# Altium PCB LimeSDR-X3_1v2.PcbDoc (part 9 of 25) (continued)
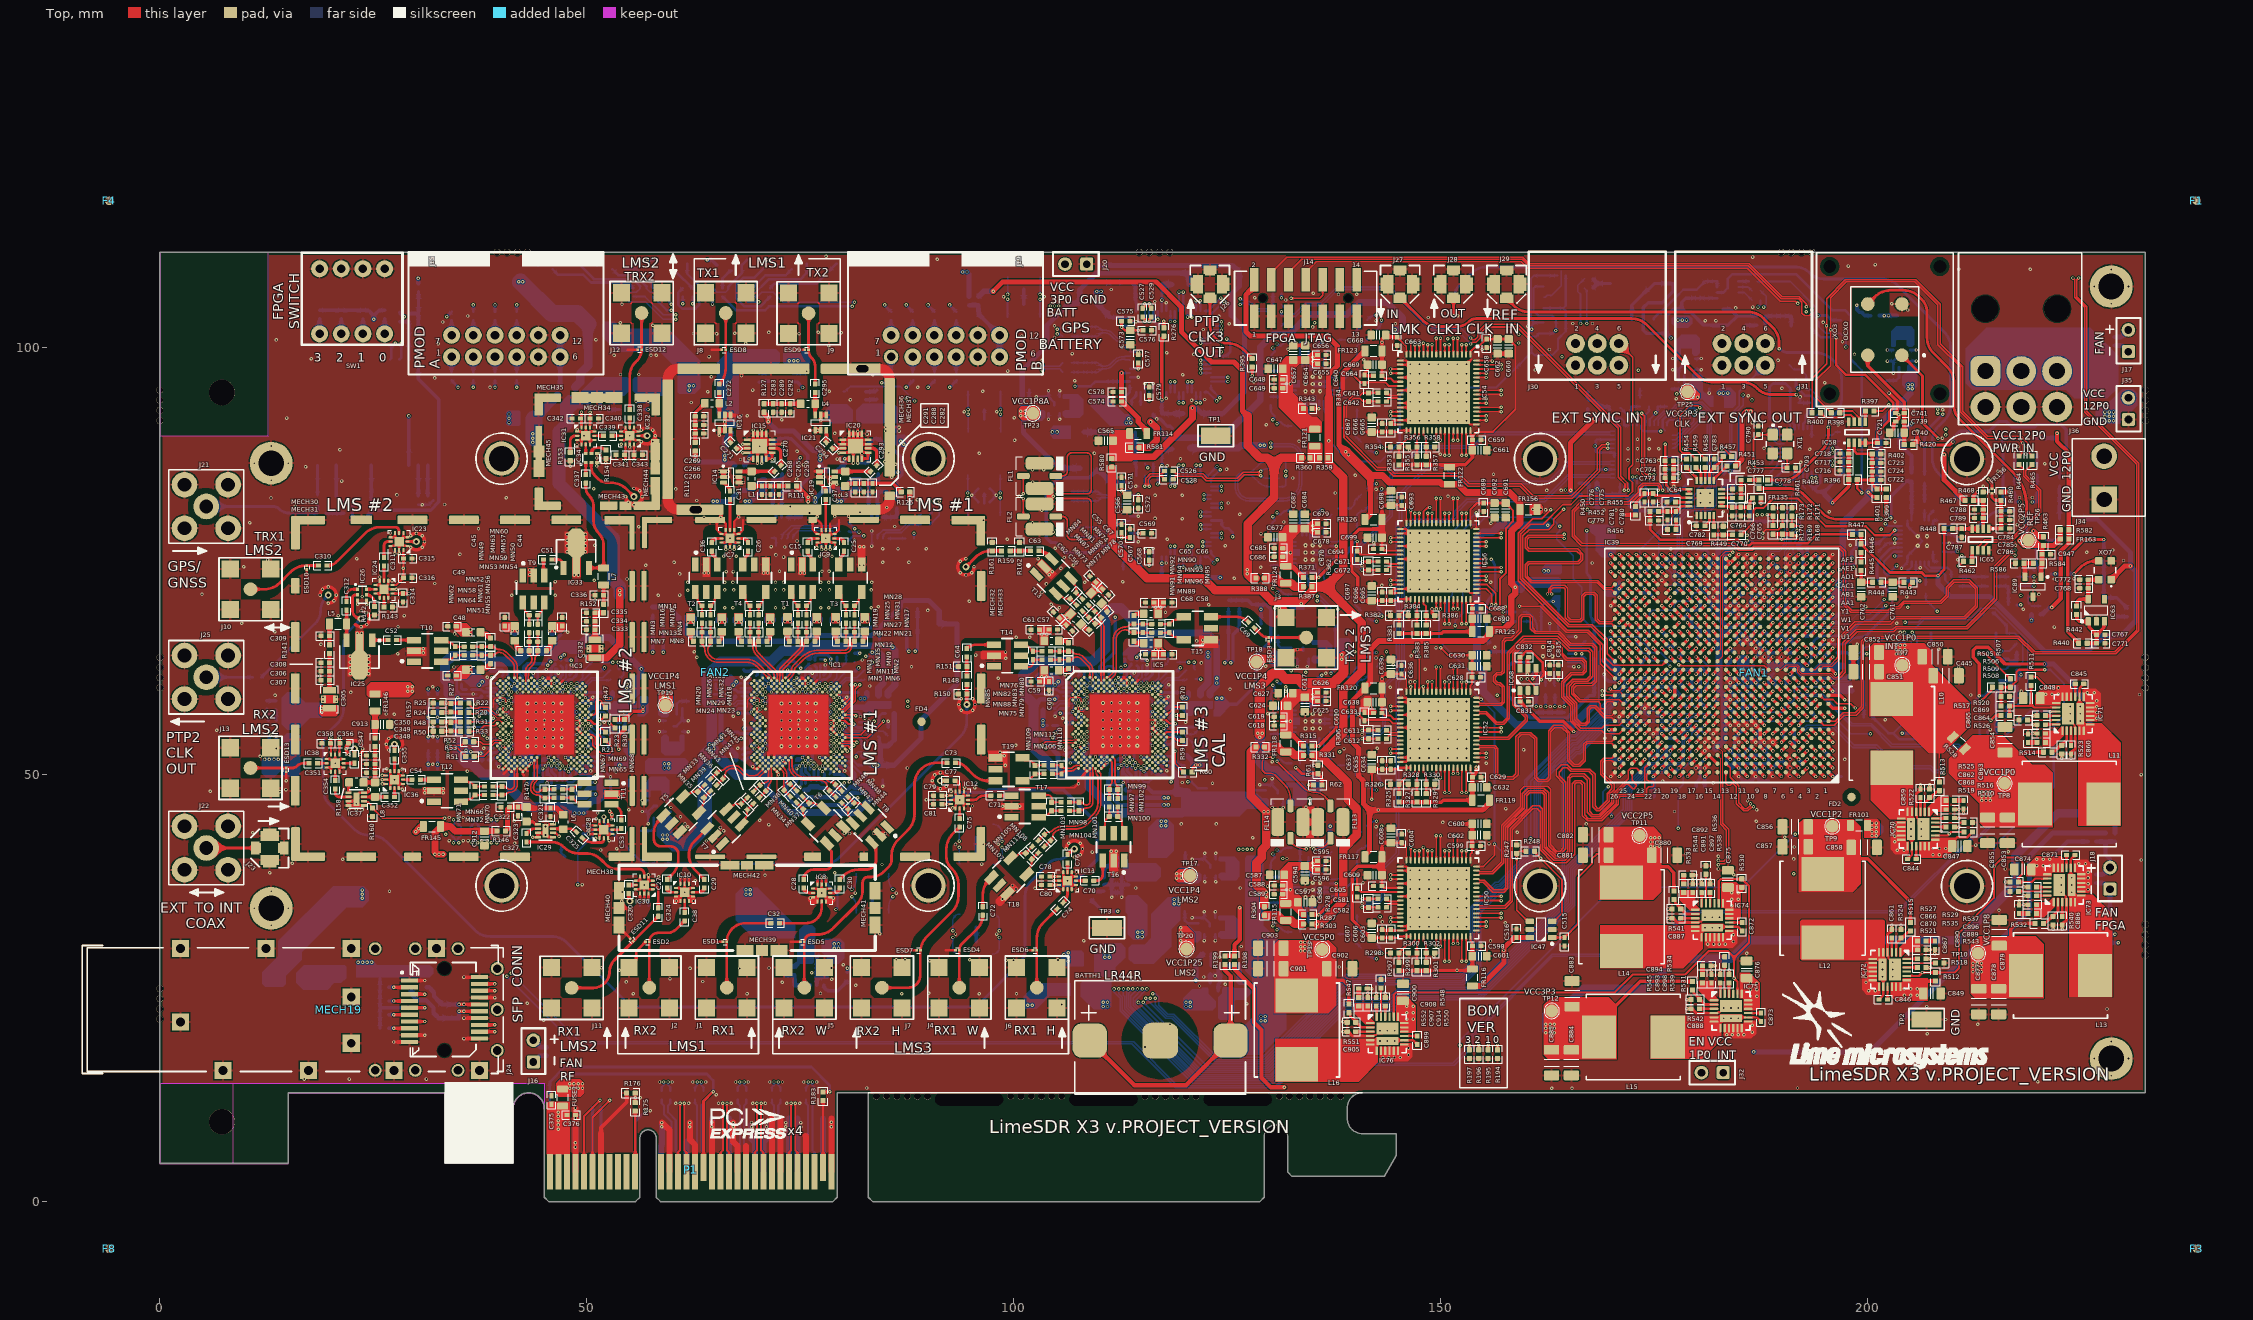
[diagram p0: Top view]
## Nets (pads, with @x,y where several pads share a name; then routed paths per layer and width w, separated by ;. In a path a pad name is that pad's centre, name@x,y a point inside that pad or via, vN(x,y) a via of type N, cw(c..) or ccw(c..) an arc to the next point about the centre after c; other vN are vias at no path point) (continued)
  Top w0.3: v1(14.775,49.273) ESD13.2@14.775,50.325 ; 17.2,73.185 ESD10.2@17.2,74.025 ; IC37.PAD@23.016,47.557 23.341,47.882 IC37.8@23.891,47.882 24.291,47.882 24.416,48.007 v1(24.416,48.332) ; v1(23.154,69.952) IC26.3@23.154,70.402 ; IC37.PAD@23.191,47.232 22.841,46.882 IC37.3@22.091,46.882 IC37.4@22.091,46.382 IC37.5@23.891,46.382 ; v1(24.204,69.952) IC26.4@24.204,70.402 ; IC3.AN3@40.167,50.678 IC3.AM4@40.5,51.011 ; 40.241,50.082 40.241,50.086 IC3.AN5@40.833,50.678 IC3.AP6@41.166,50.345 ; IC3.AN9@42.165,50.678 IC3.AP10@42.498,50.345 ; 42.616,49.932 42.498,50.05 IC3.AP10@42.498,50.345 ; 43.059,50.439 42.831,50.667 IC3.AN11@42.831,50.678 ; v2(43.497,51.344) IC3.AN11@42.831,50.678 ; v1(43.644,42.669) IC29.4@44.244,42.669 IC29.3@44.244,43.169 IC29.PAD@44.894,43.169 ; IC29.PAD@45.144,43.419 45.144,42.969 45.444,42.669 IC29.5@46.044,42.669 ; IC29.PAD@45.144,43.744 45.569,44.169 IC29.8@46.044,44.169 ; IC3.B18@45.162,61.001 45.478,61.317 ; 45.512,61.317 IC3.B20@45.828,61.001 ; IC3.C23@46.827,60.668 47.143,60.984 ; IC3.V30@49.158,55.673 IC3.W29@48.825,55.34 IC3.AA31@49.491,54.674 ; MECH40.1@53.75,32.4 ccw(c54.414,32.4) 53.944,31.931 ESD11.2@55.091,30.784 ; 54.794,99.754 ESD12.2@55.946,99.754 ; J2.2@55.775,28.25 55.775,29.346 56.845,30.416 56.845,30.421 ESD2.2@56.85,30.421 ; 64.645,99.729 ESD8.2@65.797,99.729 ; 64.772,30.421 ESD1.2@65.925,30.421 ; v1(68.249,87.699) IC15.4@68.747,87.699 69.472,87.699 v1(70.222,88.449) IC15.EP@69.972,88.699 ; v1(68.249,88.699) IC15.2@68.747,88.699 ; IC15.1@68.747,89.199 IC15.EP@69.472,89.199 ; v1(69.428,50.937) 69.688,50.678 IC1.AN3@69.917,50.678 IC1.AM4@70.25,51.011 ; v1@69.472,90.422 IC15.16@69.472,89.924 ; v1(69.972,86.475) IC15.6@69.972,86.974 IC15.EP@69.972,88.25 ; IC15.14@70.471,89.924 IC15.15@69.972,89.924 ; v1(70.472,90.422) IC15.14@70.472,89.924 ; IC15.13@70.971,89.924 IC15.14@70.472,89.924 ; IC15.8@70.972,86.974 70.972,87.699 IC15.9@71.697,87.699 ; IC15.8@70.972,86.999 71.672,86.999 IC15.9@71.672,87.699 ; IC15.13@70.972,89.924 70.972,89.199 IC15.12@71.697,89.199 ; IC1.AJ7@71.249,52.01 71.249,52.582 ; IC1.AN9@71.915,50.678 IC1.AP10@72.248,50.345 72.424,50.169 v1(72.424,49.971) ; IC1.AJ9@71.915,52.01 71.915,52.531 ; v1(72.845,88.699) IC15.11@71.697,88.699 70.55,88.699 70.472,88.776 IC15.14@70.472,89.924 ; v2(72.914,51.677) IC1.AL13@73.247,51.344 ; 73.848,30.421 ESD5.2@75,30.421 ; 74.346,99.729 ESD9.2@75.498,99.729 ; IC1.B18@74.912,61.001 75.228,61.317 ; 75.262,61.317 IC1.B20@75.578,61.001 ; IC1.C23@76.577,60.668 76.893,60.984 ; IC1.V30@78.908,55.673 IC1.W29@78.575,55.34 IC1.AA31@79.241,54.674 ; v1(79.477,87.7) IC20.4@79.975,87.7 80.7,87.7 IC20.EP@81.45,88.45 ; 79.477,88.7 IC20.2@79.975,88.7 IC20.EP@80.7,88.7 ; IC20.2@79.975,88.702 IC20.1@79.975,89.2 80.7,89.2 IC20.16@80.7,89.925 ; 80.7,90.424 IC20.16@80.7,89.925 ; v1(81.2,86.477) IC20.6@81.2,86.975 IC20.EP@81.2,88.3 ; IC20.EP@81.2,89.2 IC20.15@81.2,89.925 ; IC20.14@81.697,89.925 IC20.16@80.7,89.925 ; IC20.EP@81.7,89.2 IC20.14@81.7,89.925 ; 81.7,90.424 IC20.14@81.7,89.925 ; IC20.EP@82.198,89.2 82.198,89.925 IC20.14@81.7,89.925 ; IC20.12@82.925,89.2 82.2,89.2 IC20.EP@81.45,88.45 ; 83.423,88.7 IC20.11@82.925,88.7 81.7,88.7 IC20.EP@81.45,88.45 ; 87.448,29.425 ESD7.2@88.6,29.425 ; 91.998,29.421 ESD4.2@93.15,29.421 ; 101.575,29.421 ESD6.2@102.225,29.421 ; v1(107.554,48.94) 107.554,49.395 IC5.AP6@108.56,50.401 IC5.AN5@108.227,50.734 ; IC5.AN11@110.225,50.734 v2(110.891,51.4) ; IC5.B18@112.556,61.057 112.872,61.373 ; 112.906,61.373 IC5.B20@113.222,61.057 ; IC5.C23@114.221,60.724 114.537,61.04 ; IC5.V30@116.552,55.729 IC5.W29@116.219,55.396 IC5.AA31@116.885,54.73 ; 129.85,64.357 ESD3.2@129.85,65.6 ; C640.1@141.05,96.8 141.05,96.975 141.4,97.325 C669.2@141.4,97.975 ; C640.1@141.15,96.7 C664.1@142.1,96.7 ; 143.175,82.925 C698.1@144.025,82.925 ; IC3.AP10@42.498,50.345 IC3.AN11@42.831,50.678 ; IC15.EP@69.472,89.199 IC15.EP@69.972,88.699 ; IC15.EP@69.472,89.199 IC15.16@69.472,89.924 ; IC15.16@69.472,89.924 IC15.15@69.972,89.924 ; IC15.EP@69.972,88.699 IC15.15@69.972,89.924 ; IC20.8@82.2,87 82.9,87 82.9,87.7 82.2,87.7 IC20.8@82.2,87
  Top w0.309: C905.2@139.025,19.9 139.144,19.9 139.649,19.396 IC76.4@142.1,19.396 ; C887.2@177.076,33.179 177.195,33.179 177.7,32.675 IC74.4@180.151,32.675 ; C888.2@179.275,22.575 179.394,22.575 179.899,22.071 IC75.4@182.35,22.071 ; IC72.4@202.296,28.8 202.296,31.251 202.8,31.756 C861.2@202.8,31.875 ; IC70.4@205.645,45.25 205.645,47.701 206.15,48.206 C859.2@206.15,48.325 ; C886.2@222.75,32.375 222.75,32.494 223.255,32.999 IC73.4@223.255,35.45 ; C860.2@223.775,52.425 223.775,52.544 224.279,53.049 IC71.4@224.279,55.5
  Top w0.325: J3.2@130.856,68.5 J3.2@131.7,68.5 ; v1(131.075,69.475) 131.728,69.475 J3.2@132.325,68.878 ; C657.1@132.7,100.25 C654.1@134.075,100.25 ; J3.2@132.8,64.625 133.644,64.625 ; 191.539,85.507 C793.1@191.539,85.936 ; v1(202.475,94.675) 203.475,93.675 203.475,92.575 C741.2@203.25,92.35
  Top w0.4: v1@18.75,71.025 cw(c19.7,71.025) v1(19.028,71.697) cw(c19.7,71.025) v1(19.7,71.975) cw(c19.7,71.025) 20.372,71.697 cw(c19.7,71.025) v1(20.65,71.025) cw(c19.7,71.025) v1(20.372,70.353) cw(c19.7,71.025) v1(19.7,70.075) ; v1(22.103,52.353) cw(c22.775,53.025) v1(21.825,53.025) cw(c22.775,53.025) 22.103,53.697 cw(c22.775,53.025) 22.775,53.975 cw(c22.775,53.025) v1(23.447,53.697) cw(c22.775,53.025) v1(23.725,53.025) cw(c22.775,53.025) v1(23.447,52.353) ; 22.878,67.578 ccw(c23.55,68.25) v1(23.55,67.3) ccw(c23.55,68.25) v1(24.222,67.578) ccw(c23.55,68.25) v1(24.5,68.25) ccw(c23.55,68.25) v1(24.222,68.922) ccw(c23.55,68.25) v1(23.55,69.2) ; v1(26.794,52.885) cw(c27.466,53.557) v1(26.516,53.557) cw(c27.466,53.557) v1(26.794,54.228) cw(c27.466,53.557) v1(27.466,54.507) cw(c27.466,53.557) 28.138,54.228 cw(c27.466,53.557) 28.416,53.557 cw(c27.466,53.557) v1(28.138,52.885) ; v1(27.391,18.691) J24.10@29.199,18.691 ; J24.9@29.199,19.491 v1(31.007,19.491) ; J24.1@29.199,25.891 v1(31.007,25.891) ; v1(29.357,76.618) ccw(c30.029,77.289) 30.029,76.339 ccw(c30.029,77.289) v1(30.701,76.618) ccw(c30.029,77.289) v1(30.979,77.289) ccw(c30.029,77.289) v1(30.701,77.961) ccw(c30.029,77.289) v1(30.029,78.239) ccw(c30.029,77.289) v1(29.357,77.961) ; v1(35.591,19.091) J24.11@37.399,19.091 ; v1(35.591,21.491) J24.14@37.399,21.491 ; v1(35.591,26.291) J24.20@37.399,26.291 ; J24.17@37.399,23.891 v1(39.207,23.891) ; v1(52.211,86.495) R154.2@52.211,86.995 ; v1(52.647,45.722) cw(c51.975,45.05) 52.925,45.05 ; v1(54.075,35.175) ccw(c55.025,35.175) 54.353,34.503 ccw(c55.025,35.175) v1(55.025,34.225) ; v1(54.55,82.55) ccw(c55.5,82.55) v1(54.828,81.878) ccw(c55.5,82.55) v1(55.5,81.6) ccw(c55.5,82.55) 56.172,81.878 ccw(c55.5,82.55) v1(56.45,82.55) ccw(c55.5,82.55) v1(56.172,83.222) ccw(c55.5,82.55) v1(55.5,83.5) ; v1(56.364,88.998) ccw(c57.036,89.67) 57.036,88.72 ccw(c57.036,89.67) v1(57.708,88.998) ccw(c57.036,89.67) v1(57.986,89.67) ccw(c57.036,89.67) v1(57.708,90.341) ccw(c57.036,89.67) v1(57.036,90.62) ccw(c57.036,89.67) v1(56.364,90.341) ; v1(65.472,85.499) IC14.1@65.997,85.499 v1(66.522,85.499) ; IC16.1@65.494,90.327 65.5,90.321 v1(65.5,89.725) ; IC16.1@65.619,90.327 IC16.2@66.144,90.327 IC16.5@66.144,92.127 ; v1(65.675,80.15) 65.675,80.425 ; IC14.1@65.997,85.374 IC14.2@65.997,84.849 v1(66.522,84.849) ; IC16.5@66.269,92.127 IC16.4@66.794,92.127 66.871,92.05 v1(68.098,92.05) ; v1(67.272,84.848) IC14.5@67.797,84.848 ; IC14.5@67.797,84.723 IC14.4@67.797,84.198 v1@68.322,84.198 ; v1(68.1,96.725) MECH36.0@68.1,97.775 ; 76.7,85.5 IC19.1@77.225,85.5 77.75,85.5 ; IC21.1@76.85,90.325 IC21.2@77.375,90.325 ; IC19.1@77.225,85.375 IC19.2@77.225,84.85 v1(77.75,84.85) ; v1(77.375,91.475) IC21.5@77.375,92.125 ; IC21.5@77.5,92.125 IC21.4@78.025,92.125 ; 78.5,84.85 IC19.5@79.025,84.85 ; 78.825,83.575 IC19.4@78.825,84.1 ; v1(80.625,80.25) MECH36.0@80.625,80.525 ; MECH41.1@83.485,32.165 v1(84.3,31.35) ; v1(83.55,43.1) v1(84.95,43.1) ; v1(92.061,48.615) cw(c91.39,49.287) v1(91.39,48.337) cw(c91.39,49.287) v1(90.718,48.615) cw(c91.39,49.287) v1(90.44,49.287) cw(c91.39,49.287) v1(90.718,49.959) cw(c91.39,49.287) v1(91.39,50.237) cw(c91.39,49.287) 92.061,49.959 ; v1(93.812,58.885) ccw(c94.484,58.213) v1(93.534,58.213) ccw(c94.484,58.213) v1(93.812,57.541) ccw(c94.484,58.213) 94.484,57.263 ccw(c94.484,58.213) v1(95.156,57.541) ccw(c94.484,58.213) v1(95.434,58.213) ccw(c94.484,58.213) v1(95.156,58.885) ; v1(94.375,75.275) ccw(c94.375,74.325) v1(93.703,74.997) ccw(c94.375,74.325) 93.425,74.325 ccw(c94.375,74.325) v1(93.703,73.653) ccw(c94.375,74.325) v1(94.375,73.375) ccw(c94.375,74.325) v1(95.047,73.653) ccw(c94.375,74.325) v1(95.325,74.325) ; v1(106.125,41.3) cw(c107.075,41.3) v1(106.403,41.972) cw(c107.075,41.3) 107.075,42.25 cw(c107.075,41.3) v1(107.747,41.972) cw(c107.075,41.3) v1(108.025,41.3) cw(c107.075,41.3) v1(107.747,40.628) cw(c107.075,41.3) v1(107.075,40.35) ; v1(138.525,19.9) C905.2@139.025,19.9 ; v1(138.525,21.05) R551.1@139.025,21.05 ; C908.2@141.375,24.939 v1(141.875,24.939) ; C907.2@141.425,23.9 v1(141.425,24.4) ; C914.1@142.45,23.9 v1(142.45,24.4) ; R550.2@143.5,23.9 v1(143.5,24.4) ; C698.1@144.025,83.1 C698.1@144.15,83.225 ; R384.1@146.175,68.625 v1(146.175,69.075) ; v1(148.95,69.4) 148.95,68.95 R386.1@149.275,68.625 ; C662.2@156.625,99.3 C660.1@157.925,99.3 ; v1(160.1,61.754) 160.1,63.563 C832.2@160.277,63.74 ; v1@169.875,49.775 IC39.A26@170.375,50.275 ; v1(169.875,69.775) IC39.AA26@170.375,70.275 ; v1(170.875,56.775) IC39.H25@171.375,57.275 ; IC39.V25@171.375,67.275 v1(171.875,67.775) IC39.V24@172.375,67.275 ; v1(171.875,53.775) IC39.E24@172.375,54.275 ; v1(171.875,64.775) IC39.R24@172.375,64.275 ; v1(171.875,74.775) IC39.AE24@172.375,74.275 ; v1(172.875,60.775) IC39.M23@173.375,61.275 ; v1(172.875,71.775) IC39.AB23@173.375,71.275 ; IC39.B23@173.375,51.275 v1(173.875,51.775) ; v1(173.875,57.775) IC39.J22@174.375,58.275 ; v1(173.875,68.775) IC39.W22@174.375,68.275 ; v1(174.875,54.775) IC39.F21@175.375,55.275 ; v1(174.875,65.775) IC39.T21@175.375,65.275 ; v1(174.875,75.775) IC39.AF21@175.375,75.275 ; v1(175.875,51.775) IC39.C20@176.375,52.275 ; v1(175.875,61.775) IC39.N20@176.375,62.275 ; v1(175.875,72.775) IC39.AC20@176.375,72.275 ; v1(176.576,33.179) C887.2@177.076,33.179 ; v1(176.576,34.254) R541.1@177.076,34.254 ; v1(176.875,58.775) IC39.K19@177.375,59.275 IC39.L19@177.375,60.275 ; v1(177.25,83.775) C773.2@177.25,84.75 C774.2@177.25,85.75 C763.1@177.25,86.75 ; IC39.Y19@177.375,69.275 v1(177.875,68.775) IC39.W18@178.375,68.275 ; v1(177.875,55.775) IC39.G18@178.375,56.275 ; v1(177.875,66.775) IC39.U18@178.375,66.275 ; v1(178.775,22.575) C888.2@179.275,22.575 ; v1(178.775,23.65) R542.1@179.275,23.65 ; v1(178.875,52.775) IC39.D17@179.375,53.275 ; v1(178.875,63.775) IC39.P17@179.375,63.275 ; C892.2@179.426,38.219 v1(179.926,38.219) ; C891.2@179.476,37.179 v1(179.476,37.679) ; v1(179.875,50.775) IC39.B16@180.375,51.275 ; v1(179.875,59.775) IC39.L16@180.375,60.275 ; v1(179.875,70.775) IC39.AA16@180.375,70.275 ; v1(179.875,73.775) IC39.AD16@180.375,73.275 ; v1(179.875,75.775) IC39.AF16@180.375,75.275 ; IC39.C16@180.375,52.275 v1(180.875,52.775) IC39.D15@181.375,53.275 ; C897.2@180.501,37.179 v1(180.501,37.679) ; v1(180.875,50.775) IC39.B15@181.375,51.275 ; v1(180.875,53.775) IC39.E15@181.375,54.275 ; v1(180.875,67.775) IC39.V15@181.375,67.275 ; v1(180.875,72.775) IC39.AC15@181.375,72.275 ; v1(180.875,74.775) IC39.AE15@181.375,74.275 ; R538.2@181.551,37.18 v1(181.551,37.679) ; C894.2@181.625,27.614 v1(182.125,27.614) ; C893.2@181.675,26.575 v1(181.675,27.075) ; v1(181.875,53.775) IC39.E14@182.375,54.275 ; v1(181.875,54.775) IC39.F14@182.375,55.275 ; v1(181.875,70.775) IC39.AA14@182.375,70.275 ; v1(181.875,71.775) IC39.AB14@182.375,71.275 ; v1(181.875,72.775) IC39.AC14@182.375,72.275 ; v1(181.875,73.775) IC39.AD14@182.375,73.275 ; v1(181.875,75.775) IC39.AF14@182.375,75.275 ; C898.2@182.7,26.575 v1(182.7,27.075) ; IC39.C13@183.375,52.275 v1(183.875,51.775) ; IC39.G13@183.375,56.275 v1(183.875,55.775) ; IC39.K13@183.375,59.275 v1(183.875,58.775) ; IC39.M13@183.375,61.275 v1(183.875,60.775) ; IC39.P13@183.375,63.275 v1(183.875,63.775) ; IC39.T13@183.375,65.275 v1(183.875,65.775) ; IC39.V13@183.375,67.275 v1(183.875,67.775) ; IC39.Y13@183.375,69.275 v1(183.875,69.775) ; IC39.AD13@183.375,73.275 v1(183.875,73.775) ; IC39.AE13@183.375,74.275 v1(183.875,74.775) ; IC39.AF13@183.375,75.275 v1(183.875,74.775) ; R539.2@183.75,26.575 v1(183.75,27.075) ; IC39.A12@184.375,50.275 v1(184.875,49.775) ; IC39.E12@184.375,54.275 v1(184.875,53.775) ; IC39.G12@184.375,56.275 v1(184.875,55.775) ; IC39.J12@184.375,58.275 v1(184.875,57.775) ; IC39.L12@184.375,60.275 v1(184.875,59.775) ; IC39.U12@184.375,66.275 v1(184.875,66.775) ; IC39.W12@184.375,68.275 v1(184.875,68.775) ; IC39.Y12@184.375,69.275 v1(184.875,69.775) ; IC39.AB12@184.375,71.275 v1(184.875,71.775) ; v1(184.875,75.775) IC39.AF12@184.375,75.275 v1(183.875,74.775) ; IC39.C11@185.375,52.275 v1(185.875,51.775) ; IC39.G11@185.375,56.275 v1(185.875,55.775) ; IC39.K11@185.375,59.275 v1(185.875,58.775) ; IC39.T11@185.375,65.275 v1(185.875,65.775) ; IC39.Y11@185.375,69.275 v1(185.875,69.775) ; IC39.AD11@185.375,73.275 v1(185.875,73.775) ; IC39.AE11@185.375,74.275 v1(185.875,74.775) ; IC39.AF11@185.375,75.275 v1(185.875,75.775) ; IC39.A10@186.375,50.275 v1(186.875,49.775) ; IC39.E10@186.375,54.275 v1(186.875,53.775) ; IC39.G10@186.375,56.275 IC39.F9@187.375,55.275 IC39.E9@187.375,54.275 v1(187.875,53.775) ; IC39.L10@186.375,60.275 v1(186.875,59.775) ; IC39.N10@186.375,62.275 IC39.M9@187.375,61.275 ; IC39.R10@186.375,64.275 v1(186.875,64.775) ; IC39.U10@186.375,66.275 v1(186.875,66.775) ; IC39.Y10@186.375,69.275 v1(186.875,69.775) ; IC39.AB10@186.375,71.275 v1(186.875,71.775) ; IC39.AF10@186.375,75.275 v1(186.875,75.775) ; IC39.C9@187.375,52.275 v1(187.875,51.775) ; IC39.K9@187.375,59.275 v1(187.875,58.775) ; IC39.P9@187.375,63.275 v1(187.875,63.775) ; IC39.T9@187.375,65.275 v1(187.875,65.775) ; IC39.AA9@187.375,70.275 v1(187.875,70.775) ; IC39.AB9@187.375,71.275 v1(187.875,71.775) ; IC39.AD9@187.375,73.275 v1(187.875,73.775) ; IC39.A8@188.375,50.275 v1(188.875,49.775) ; IC39.E8@188.375,54.275 v1(188.875,53.775) ; IC39.U8@188.375,66.275 v1(188.875,66.775) ; IC39.AB8@188.375,71.275 v1(188.875,71.775) ; IC39.AF8@188.375,75.275 v1(188.875,75.775) ; IC39.D7@189.375,53.275 v1(188.875,53.775) ; IC39.E7@189.375,54.275 v1(188.875,53.775) ; IC39.P7@189.375,63.275 v1(189.875,63.775) ; IC39.AC7@189.375,72.275 v1(189.875,72.775) ; IC39.A6@190.375,50.275 v1(190.875,49.775) ; IC39.B6@190.375,51.275 v1(190.875,50.775) ; IC39.C6@190.375,52.275 v1(190.875,51.775) ; IC39.L6@190.375,60.275 v1(190.875,59.775) ; IC39.AA6@190.375,70.275 v1(190.875,70.775) ; IC39.AD6@190.375,73.275 v1(190.875,73.775) ; IC39.AE6@190.375,74.275 v1(190.875,74.775) ; IC39.AF6@190.375,75.275 v1(190.875,75.775) ; IC39.H5@191.375,57.275 v1(191.875,56.775) ; IC39.V5@191.375,67.275 v1(191.875,67.775) ; IC39.E4@192.375,54.275 v1(192.875,53.775) ; IC39.R4@192.375,64.275 v1(192.875,63.775) ; IC39.AE4@192.375,74.275 v1(192.875,74.775) ; IC39.B3@193.375,51.275 v1(193.875,50.775) ; IC39.M3@193.375,61.275 v1(193.875,60.775) ; IC39.AB3@193.375,71.275 v1(193.875,71.775) ; v1(193.875,57.775) IC39.J2@194.375,58.275 ; IC39.W2@194.375,68.275 v1(194.875,68.775) ; IC39.F1@195.375,55.275 v1(195.875,54.775) ; IC39.T1@195.375,65.275 v1(195.875,65.775) ; IC39.AF1@195.375,75.275 v1(195.875,75.775) ; C851.1@198.3,62.05 C852.1@198.3,64.301 ; C740.1@202.55,90.05 203,90.5 203,91.1 203.6,91.7 v1@203.6,92.025 ; C861.2@202.8,31.875 v1(202.8,32.375) ; C741.2@203.25,92.35 v1@203.588,92.012 ; R524.2@203.875,31.875 v1(203.875,32.375) ; C859.2@206.15,48.325 v1(206.15,48.825) ; R521.2@206.8,27.4 v1(207.3,27.4) ; C870.2@206.8,28.45 v1(207.3,28.45) ; C866.2@206.8,29.475 v1(207.3,29.475) ; R522.1@207.225,48.325 v1(207.225,48.825) ; v1(207.839,29.025) C867.2@207.839,29.525 ; R519.2@210.15,43.85 v1(210.65,43.85) ; C868.2@210.15,44.9 v1(210.65,44.9) ; C862.2@210.15,45.925 v1(210.65,45.925) ; v1(211.189,45.475) C863.2@211.189,45.975 ; C890.2@217.711,34.725 v1(217.711,35.225) ; v1(218.25,34.775) C889.2@218.75,34.775 ; v1(218.25,35.8) C896.2@218.75,35.8 ; v1(218.25,36.85) R537.2@218.75,36.85 ; v1(219.275,54.825) C864.2@219.775,54.825 ; v1(219.275,55.85) C869.2@219.775,55.85 ; v1(219.275,56.9) R520.2@219.775,56.9 ; v1(221.675,31.875) R540.2@221.675,32.375 ; v1(222.7,51.925) R523.1@222.7,52.425 ; v1(222.75,31.875) C886.2@222.75,32.375 ; v1(223.775,51.925) C860.2@223.775,52.425
  Top w0.43: 51.65,7.95 51.65,8.65 54.65,11.65 R176.2@54.65,12.7
  Top w0.6: FL14.4@133.768,44.441 FL13.2@135.571,44.441
  Top w0.7: P1.B4@48.65,3.5 v1(48.65,10.95) ; P1.B7@51.65,3.5 51.65,7.95 ; v1@58.8,9.25 59.65,8.4 P1.B13@59.65,3.5 ; v1@62.075,9.25 62.075,7.225 62.65,6.65 P1.B16@62.65,3.5 ; P1.B18@64.65,3.5 v1@64.65,9.275 ; v1(67.125,9.262) 67.125,7.025 67.65,6.5 P1.B21@67.65,3.5 ; P1.B22@68.65,3.5 68.65,6.5 ; P1.B25@71.65,3.5 71.65,9.725 ; P1.B26@72.65,3.5 72.65,9.725 ; 75.575,7.7 75.65,7.625 P1.B29@75.65,3.5 ; P1.B32@78.65,3.5 78.65,9.725
  L4 w0.6: J36.4@214.4,91.95 215.075,91.275
  Bottom w0.1: C144.2@46.697,60.265 46.957,60.005 47.49,60.005 v2(47.493,60.002) ; C86.2@76.447,60.265 76.707,60.005 77.24,60.005 v2(77.243,60.002) ; C204.2@114.137,60.281 114.36,60.058 v2(114.887,60.058) ; v2@114.93,60.021 v2@114.933,60.018
  Bottom w0.11: C178.2@49.519,54.64 49.519,54.671 49.961,54.671 50.248,54.383 C184.2@50.296,54.383 ; C119.2@79.269,54.64 79.269,54.671 79.711,54.671 79.998,54.383 80.046,54.383 ; C237.2@116.959,54.657 116.959,54.687 117.401,54.687 117.688,54.4 C243.2@117.736,54.4
  Bottom w0.15: C170.2@37.372,57.16 37.385,57.16 37.96,57.735 37.972,57.735 ; C111.2@67.122,57.16 67.135,57.16 67.71,57.735 67.722,57.735 ; C229.2@104.812,57.176 104.825,57.176 105.4,57.751 105.412,57.751 ; IC43.7@162.018,105.885 162.236,105.885 162.456,106.104 162.979,106.104 164.113,107.238 164.113,109.013 ; v1(175.875,72.775) 176.5,72.15 178.125,72.15 178.375,71.9 C383.2@178.375,71.3
  Bottom w0.2: v1(36.991,58.257) 37.444,58.257 37.822,58.635 38.692,58.635 C167.2@38.764,58.707 ; v1(38.328,61.412) 38.328,61.279 C188.2@38.913,60.693 ; v1(66.741,58.257) 67.194,58.257 67.572,58.635 68.442,58.635 C108.2@68.514,58.707 ; v1(68.078,61.412) 68.078,61.279 C129.2@68.663,60.693 ; 71.575,77.7 IC17.8@72.125,77.7 ; 72.133,76.763 IC17.8@72.133,77.644 ; C1.2@81.321,63.188 C1.2@81.346,63.163 C1.2@81.372,63.137 ; v1(83.36,76.763) IC22.8@83.36,77.644 v1(83.36,78.525) ; v1(104.431,58.273) 104.884,58.273 105.262,58.651 106.132,58.651 C226.2@106.204,58.723 ; C253.2@104.882,53.676 104.882,53.423 105.43,52.875 v1(105.975,52.875) ; v1@106.062,61.743 105.768,61.45 105.768,61.295 C247.2@106.354,60.71 ; IC67.47@175.95,90.875 175.95,90.6 176.275,90.275
  Bottom w0.25: v1(36.816,55.557) 37.971,55.557 C146.1@37.991,55.577 ; C172.2@39.428,51.419 39.428,51.187 v1(39.678,50.937) C165.2@40.099,51.358 ; v2(47.493,50.678) 47.327,50.512 47.327,49.788 47.622,49.493 47.622,49.276 47.789,49.108 C161.2@48.046,49.108 ; C150.2@50.886,57.194 51.036,57.344 51.981,57.344 52.278,57.047 52.278,56.805 ; C113.2@69.178,51.419 69.178,51.187 v1(69.428,50.937) C106.2@69.849,51.358 ; v2(77.243,50.678) 77.077,50.512 77.077,49.788 77.372,49.493 77.372,49.276 77.539,49.108 C102.2@77.796,49.108 ; C82.2@80.636,57.194 80.786,57.344 81.731,57.344 82.028,57.047 v1(82.028,56.805) ; C19.1@82.042,67.111 83.136,67.111 83.925,67.9 ; FL15.2@83.425,32.299 84.101,32.299 84.3,32.1 v1(84.3,31.35) ; v2@114.933,50.694 114.767,50.528 114.767,49.805 115.062,49.51 115.062,49.292 115.23,49.125 C220.2@115.486,49.125 ; v1(160.1,61.754) IC66.9@160.1,62.65 ; v1(162.75,61.104) IC66.4@162.75,62 ; IC66.21@162.75,66.8 v1@162.75,67.696 ; IC66.32@164.9,62.65 v1(165.546,62.65) ; IC66.29@164.9,64.15 v1(165.796,64.15) ; IC66.25@164.9,66.15 v1(165.796,66.15) ; C755.1@201.225,76.1 C757.1@202.225,77.1 IC62.4@203.975,77.1 ; v1(203.925,74.15) 204.625,74.85 IC62.32@204.625,74.95 204.625,75.6 v4(205.825,76.8) IC62.4@206.375,77.35 204.625,79.1 IC62.9@204.625,79.75 ; v1(206.125,74.216) IC62.29@206.125,74.95 ; IC62.4@207.625,76.1 IC62.26@207.625,74.95 IC62.25@208.125,74.95 ; IC62.4@207.625,78.6 IC62.15@207.625,79.75 IC62.16@208.125,79.75 ; IC62.21@208.775,77.1 v1(209.509,77.1) C752.1@209.991,77.1
  Bottom w0.254: v1(112.603,80.753) IC48.27@113.578,80.753 ; v1(112.603,100.028) IC49.27@113.578,100.028 ; IC48.20@113.578,77.253 v1(114.553,77.253) ; IC48.26@113.578,80.253 v1(114.553,80.253) ; IC48.33@113.578,83.753 114.553,83.753 ; IC49.20@113.578,96.528 v1(114.553,96.528) ; IC49.26@113.578,99.528 v1(114.553,99.528) ; IC49.33@113.578,103.028 114.553,103.028 ; IC48.15@115.328,75.503 v1(115.328,76.478) ; IC49.15@115.328,94.778 v1(115.328,95.753) ; IC48.13@116.328,75.503 v1(116.328,76.478) ; IC49.13@116.328,94.778 v1(116.328,95.753) ; v1(117.828,74.778) IC48.10@117.828,75.503 ; IC48.42@117.828,85.003 117.828,85.978 ; v1(117.828,94.053) IC49.10@117.828,94.778 ; IC49.42@117.828,104.278 v1(117.828,105.253)